# Altium PCB DAPLink.PcbDoc
Units mil, origin at the board's own origin, x right, y up, seen from the top; angles counter-clockwise.
Board outline 787.4 x 1585.51 mil, 2 copper layers (Top Layer, Bottom Layer); 32 components, 27 nets, 152 pads, 50 vias.
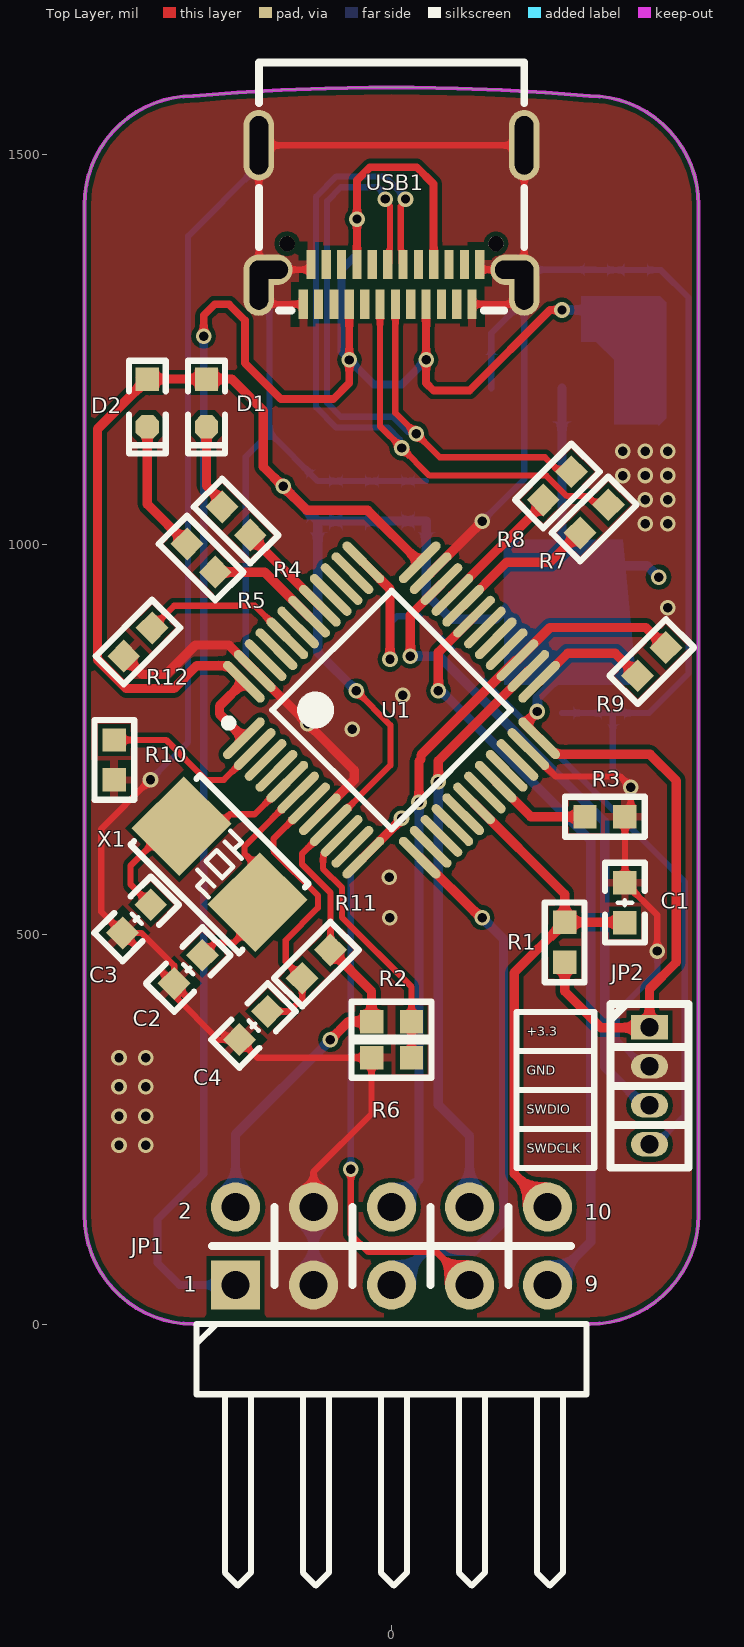
[diagram p0: Top Layer view]
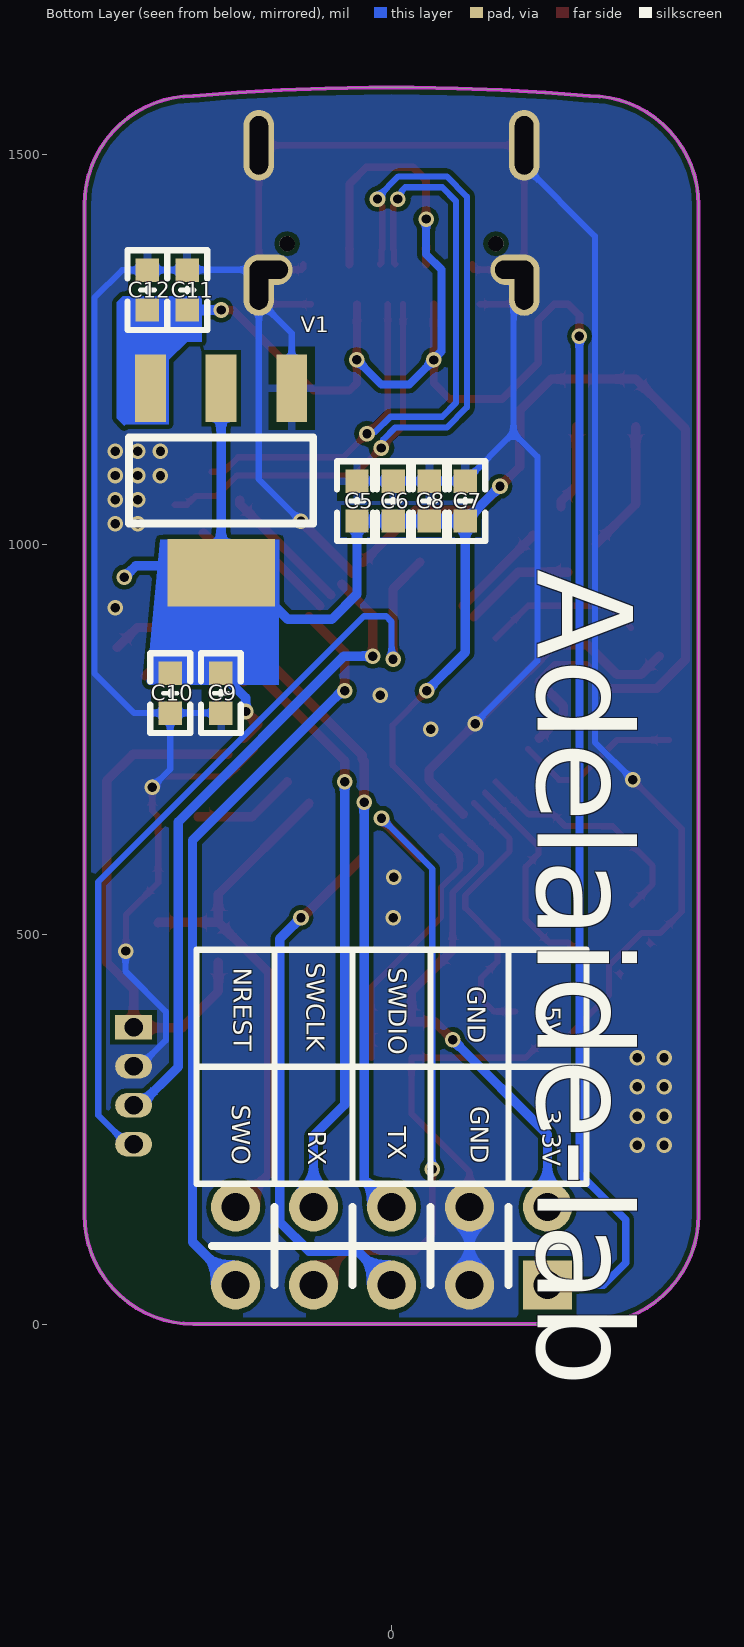
[diagram p1: Bottom Layer view, seen from below]

## Layer stack, top to bottom
Top Solder: solder mask 0.4, Solder Resist, Dk 3.5
Top Layer: signal copper 1.4
Dielectric 1: dielectric 12.6, FR-4, Dk 4.8
Bottom Layer: signal copper 1.4
Bottom Solder: solder mask 0.4, Solder Resist, Dk 3.5

## Board outline
-393.7,140 -393.7,1434.8 cw(c-253.7,1434.8) -253.7,1574.8 cw(c0,-1389.41) 253.7,1574.8 cw(c253.7,1434.8) 393.7,1434.8 393.7,140 cw(c253.7,140) 253.7,0 -253.7,0 cw(c-253.7,140)

## Design rules (kind name [scope] priority, off if disabled: settings)
Clearance [All] p1: gap=6 ignorepadtopadclearanceinfootprint=FALSE
ComponentClearance [All] p1: gap=0 collisioncheckmode=3 verticalgap=0 showdistances=FALSE
DiffPairsRouting [All] p1: maxlimit=15 minlimit=6 mostfreqgap=6 toplayer_minwidth=6 toplayer_maxwidth=15 toplayer_prefwidth=8 bottomlayer_minwidth=6 bottomlayer_maxwidth=15 bottomlayer_prefwidth=8 maxuncoupledlength=500
HoleSize [All] p1: absolutevalues=TRUE maxlimit=1000 minlimit=1 maxpercent=80.000 minpercent=20.000
MinimumSolderMaskSliver [All] p1: minsoldermaskwidth=6
PlaneClearance [All] p1: clearance=6
PolygonConnect [All] p1: thpad.connectstyle=Direct thpad.reliefconductorwidth=10 thpad.reliefentries=4 thpad.polygonreliefangle="90 Angle" thpad.airgapwidth=10 smdpad.connectstyle=Relief smdpad.reliefconductorwidth=10 smdpad.reliefentries=4 smdpad.polygonreliefangle="90 Angle" smdpad.airgapwidth=10 via.connectstyle=Direct via.reliefconductorwidth=10 via.reliefentries=4 via.polygonreliefangle="90 Angle" via.airgapwidth=10
RoutingVias [All] p1: holewidth=12 width=20 viastyle="Through Hole" minholewidth=12 minwidth=20 maxholewidth=12 maxwidth=20
SilkToSilkClearance [All] p1: silktosilkclearance=0
SilkToSolderMaskClearance [IsPad] p1: minsilkscreentomaskgap=0 clearancetoexposedcopper=TRUE
SolderMaskExpansion [All] p1: expansion=4 istentingtop=FALSE
Width Width_POWER [InNetClass('POWER')] p1: maxlimit=50 minlimit=8 preferedwidth=12
Width [All] p2: maxlimit=50 minlimit=6 preferedwidth=8
23 further rules are at their usual default settings.

## Classes and differential pairs
net class POWER: +3.3 +5
differential pair NewDifferentialPair1: +USB_DP -USB_DM

## Components (designator, comment, footprint, x,y, rotation, side; value= is the part's Value field where it differs from the comment)
C1 "0.1uF" C0603_L 299.21,540.36 r90 top
C2 "22pF" C0603_L -260.61,454.86 r45 top
C3 "22pF" C0603_L -326.77,519.68 r45 top
C4 "0.1uF" C0603_L -176.89,382.87 r45 top
C5 "0.1uF" C0603_L 44.29,1055.25 r270 bottom
C6 "0.1uF" C0603_L -1.97,1055.25 r270 bottom
C7 "0.1uF" C0603_L -94.49,1055.25 r270 bottom
C8 "0.1uF" C0603_L -48.23,1055.25 r270 bottom
C9 "10uF" C0603_L 218.75,809.06 r90 bottom
C10 "0.1uF" C0603_L 283.71,809.06 r90 bottom
C11 "10uF" C0603_L 261.81,1325.79 r270 bottom
C12 "0.1uF" C0603_L 312.99,1325.79 r270 bottom
D1 "LED" LED0603_B -237.2,1181.1 r270 top
D2 "LED" LED0603_G -312.99,1181.1 r270 top
JP1 "Header 5X2" HDR2.54-WI-2x5P 0,100.2 r0 top locked
JP2 "HDR-1X4" HDR1.27-LI-4P 330.71,305.51 r270 top locked
R1 "10K" R0603_L 221.95,489.59 r90 top
R2 "10K" R0603_L 0,387.92 r0 top
R3 "10K" R0603_L 273.6,650.59 r180 top
R4 "1.5K" R0603_L -199.21,1029.62 r135 top
R5 "1.5K" R0603_L -244.09,982.28 r135 top
R6 "10K" R0603_L 0,341.65 r180 top
R7 "22R" R0603_L 259.84,1032.48 r45 top
R8 "22R" R0603_L 212.6,1074.8 r225 top
R9 "100" R0603_L 333.66,849.41 r225 top
R10 "10K" R0603_L -355.32,723.37 r270 top
R11 "10K" R0603_L -96.46,461.61 r45 top
R12 "10K" R0603_L -325.18,874.62 r225 top
U1 "STM32F101C8T6" LQFP48_N 0,787.4 r45 top locked
USB1 "TYPE-C 24P QT" USB-C-SMD_TYPE-C-24P-QT 0,1409.45 r180 top locked
V1 "AMS1117-3V3" SOT-223 218.5,1081.69 r90 bottom locked
X1 "8MHz" "OSC 5032-2P" -220.52,589.79 r315 top

## Footprints (in the part's own frame and the unit in brackets; to place one, negate y for a bottom-side part, rotate by r counter-clockwise, add the part's x,y. Pads: shape width x height; smd on the part's side, far side on the other; paste and mask are expansions set on the pad)
C0603_L [mil] "无极性贴片电容"
  rect 30x30 smd: 1(-25.59,0) 2(25.59,0)
  silkscreen extent -51,-26 51,26, body extent -31,-16 32,16, height 33
HDR1.27-LI-4P [mm] "直插，脚距：1.27mm  封装库来自淘宝卖家 ID：黄晶宝石"
  rect 0.8x1.2 hole 0.6: 1(-1.905,0)
  oval 0.8x1.2 hole 0.6: 2(-0.635,0) 3(0.635,0) 4(1.905,0)
  silkscreen extent -2.67,-1.27 2.67,1.27, body extent -2.54,-1.2 2.54,1.2, height 4.48
HDR2.54-WI-2x5P [mm] "双排弯脚排针，5x2脚"
  rect 1.6x1.6 hole 0.9: 1(-5.08,-1.27)
  round 1.6 hole 0.9: 2(-5.08,1.27) 3(-2.54,-1.27) 4(-2.54,1.27) 5(0,-1.27) 6(0,1.27) 7(2.54,-1.27) 8(2.54,1.27) 9(5.08,-1.27) 10(5.08,1.27)
  silkscreen extent -6.35,-11.06 6.35,1.27, body extent -6.35,-11.23 6.35,1.62, height 5.1
LED0603_B [mil] "蓝色0603LED"
  rect 30x30 smd: 1(-30.59,0)
  oct 30x30 smd: 2(30.59,0)
  silkscreen extent -54,-24 65,24, body extent -32,-16 31,16, height 24
LED0603_G [mil] "绿色0603LED"
  rect 30x30 smd: 1(-30.59,0)
  oct 30x30 smd: 2(30.59,0)
  silkscreen extent -54,-24 65,24, body extent -32,-16 31,16, height 24
LQFP48_N [mm] "Thin QFP, 48-Leads, Body 7x7mm, Pitch 0.5mm, IPC Medium Density封装库来自淘宝 ID：黄晶宝石"
  oval 1.8x0.3 smd: 1(-4.05,2.75) 2(-4.05,2.25) 3(-4.05,1.75) 4(-4.05,1.25) 5(-4.05,0.75) 6(-4.05,0.25) 7(-4.05,-0.25) 8(-4.05,-0.75) 9(-4.05,-1.25) 10(-4.05,-1.75) 11(-4.05,-2.25) 12(-4.05,-2.75) 25(4.05,-2.75) 26(4.05,-2.25) 27(4.05,-1.75) 28(4.05,-1.25) 29(4.05,-0.75) 30(4.05,-0.25) 31(4.05,0.25) 32(4.05,0.75) 33(4.05,1.25) 34(4.05,1.75) 35(4.05,2.25) 36(4.05,2.75)
  oval 0.3x1.8 smd: 13(-2.75,-4.05) 14(-2.25,-4.05) 15(-1.75,-4.05) 16(-1.25,-4.05) 17(-0.75,-4.05) 18(-0.25,-4.05) 19(0.25,-4.05) 20(0.75,-4.05) 21(1.25,-4.05) 22(1.75,-4.05) 23(2.25,-4.05) 24(2.75,-4.05) 37(2.75,4.05) 38(2.25,4.05) 39(1.75,4.05) 40(1.25,4.05) 41(0.75,4.05) 42(0.25,4.05) 43(-0.25,4.05) 44(-0.75,4.05) 45(-1.25,4.05) 46(-1.75,4.05) 47(-2.25,4.05) 48(-2.75,4.05)
  silkscreen extent -4.17,-2.75 2.75,3.57, body extent -4.5,-4.5 4.5,4.5, height 1.45
"OSC 5032-2P" [mm] "5mm*3.2mm*0.8mm(长*宽*高)"
  rect 2.2x2.4 smd: 1(-1.75,0) 2(1.75,0)
  silkscreen extent -2.5,-1.6 2.5,1.6, body extent -2.5,-1.6 2.5,1.6, height 0.86
R0603_L [mil] "1/10W贴片电阻"
  rect 30x30 smd: 1(-25.59,0) 2(25.59,0)
  silkscreen extent -51,-26 51,26, body extent -31,-16 32,16, height 16
SOT-223 [mm]
  rect 2.2x1 smd: 1(3,-2.3) 2(3,0) 3(3,2.3)
  rect 2.2x3.5 smd: 2(-3,0)
  silkscreen extent -1.4,-3 1.4,3, body extent -3.49,-3.24 3.49,3.24, height 1.64
USB-C-SMD_TYPE-C-24P-QT [mm]
  oval 1x2 hole 0.6 slot 1.6 at 90 deg: 1(-4.32,1.963) 2(4.32,1.963)
  oval 1.5x1 hole 0.6 slot 1.2 at 0 deg: 1(-3.97,1.463) 2(3.97,1.463)
  oval 1x2.3 hole 0.6 slot 1.9 at 90 deg: 3(4.32,-2.587) 4(-4.32,-2.587)
  rect 0.3x0.95 smd: A1(-2.625,2.588) A2(-2.125,2.588) A3(-1.625,2.588) A4(-1.125,2.588) A5(-0.625,2.588) A6(-0.125,2.588) A7(0.375,2.588) A8(0.875,2.588) A9(1.375,2.588) A10(1.875,2.588) A11(2.375,2.588) A12(2.875,2.588) B1(2.625,1.288) B2(2.125,1.288) B3(1.625,1.288) B4(1.125,1.288) B5(0.625,1.288) B6(0.125,1.288) B7(-0.375,1.288) B8(-0.875,1.288) B9(-1.375,1.288) B10(-1.875,1.288) B11(-2.375,1.288) B12(-2.875,1.288)
  round 0.5 hole 0.5 unplated: ""(-3.4,0.613) ""(3.4,0.613)
  silkscreen extent -4.32,-5.29 4.32,2.79, body extent -4.47,-5.31 4.47,2.79, height 3.24

## Part data
C1 C2 C3 C4 C5 C6 C7 C8 C9 C10 C11 C12: library part C, "贴片电容", BOM名称=无极性贴片电容, 封装库来自淘宝卖家ID：黄晶宝石=其他店铺购入均为盗版假冒封装库，请立即申请退款, 联系卖家，免费查找封装=唯一出售店铺网址https://shop463601444.taobao.com
D1 D2: "发光二极管", 封装库来自淘宝卖家 ID：黄晶宝石=其他店铺购入均为假冒，请立即申请退款，本店奖励现金5~20元
JP1: "5*2P接插件", BOM名称=5*2P接插件, 封装库来自淘宝卖家 ID：黄晶宝石=其他店铺购入均为盗版假冒封装库, 联系卖家，免费查找封装=唯一出售店铺网址https://shop463601444.taobao.com
JP2: library part "Header 4", "4P接插件", BOM名称=4P接插件, 封装库来自淘宝卖家 ID：黄晶宝石=https://shop463601444.taobao.com
R1 R2 R3 R4 R5 R6 R7 R8 R9 R10 R11 R12: library part R, "贴片电阻", BOM名称=贴片电阻, 封装库来自淘宝卖家ID：黄晶宝石=其他店铺购入均为盗版假冒封装库，请立即申请退款, 联系卖家，免费查找封装=唯一出售店铺网址https://shop463601444.taobao.com
U1: "STM32 ARM-based 32-bit MCU Access Line with 64 kB Flash, 10 kB Internal RAM, -40 to +85癈 Temperature, 48-pin LQFP, Tray", ComponentLink1Description="Manufacturer URL", ComponentLink1URL=http://www.st.com/, ComponentLink2Description="STM32F101 Datasheet", ComponentLink2URL=http://www.st.com/internet/com/TECHNICAL_RESOURCES/TECHNICAL_LITERATURE/DATASHEET/CD00161561.pdf, ComponentLink3Description="STM32 Family Web Page", ComponentLink3URL=www.st.com/stm32, DatasheetVersion="rev14.0, Apr-2011", PackageDescription="48-Pin Low-Profile Quad Flat Pack, 7 x 7 mm Body, 0.5 mm Pitch (LQFP48)", PackageReference=LQFP48, PackageVersion="rev13, Apr-2011", 联系卖家，免费查找封装=唯一出售店铺网址https://shop463601444.taobao.com
USB1: "Type-C 接口", BOM_JLCPCB Part Class="Extended Part", BOM_Manufacturer="SHOU HAN(首韩)", BOM_Manufacturer Part="TYPE-C 24P QT", BOM_Supplier=LCSC, BOM_Supplier Part=C2681555, Contributor=LCSC, spicePre=U, spiceSymbolName="TYPE-C 24P QT"
V1: library part AMS1117_SOT89, "三端稳压芯片", BOM名称=稳压芯片, 封装库来自淘宝卖家 ID：黄晶宝石=其他店铺购入均为盗版，请立即申请退款，本店现金奖励5~20元, 联系卖家 免费查找封装=唯一出售店铺网址https://shop463601444.taobao.com
X1: library part XTAL-2P, "2脚无源脚晶振", BOM名称=2脚无源脚晶振, 联系卖家，免费查找封装=唯一出售店铺网址https://shop463601444.taobao.com

## Via types
v1: diameter 20, hole 12, Top Layer to Bottom Layer, 50 vias

## Nets (pads, with @x,y where several pads share a name; then routed paths per layer and width w, separated by ;. In a path a pad name is that pad's centre, name@x,y a point inside that pad or via, vN(x,y) a via of type N, cw(c..) or ccw(c..) an arc to the next point about the centre after c; other vN are vias at no path point)
+3.3: C5.2 C6.2 C7.2 C8.2 C9.2 C10.2 D1.1 D2.1 JP1.2 JP2.1 R1.1 R2.1 R11.2 U1.1 U1.9 U1.24 U1.36 U1.48 V1.2 | length 3941.4
  Top Layer w8: R11.2 -78.36,553.39 -114.77,589.79 -114.77,603.04 U1.9 -1.39,716.41 -1.39,768.13 v1(-45.28,812.01)
  Top Layer w12: U1.48@-189.37,823.53 -220.52,792.37 -220.52,782.43 U1.1 ; U1.48 -210.05,844.34 -249.65,844.34 -279.03,814.96 -339.9,814.96 -376.97,852.03 -376.97,1147.71 D2.1 D1.1 -204.8,1211.69 -164.37,1171.26 -164.37,1099.41 v1(-139.01,1074.05) -108.51,1043.55 -30.65,1043.55 U1.36 ; v1(-78.36,364.77) -55.23,387.91 R2.1 -25.59,426.94 R11.2 ; v1(187.02,785.47) 171.11,769.54 171.11,769.4 U1.24 ; U1.24@210.05,730.47 331.54,730.47 365.16,696.85 365.16,463.99 330.71,429.54 JP2.1 ; R1.1 221.95,426.67 268.52,380.1 JP2.1@330.3,380.1
  Bottom Layer w12: JP1.2 -200,243.14 v1(-78.36,364.77) ; v1(-139.01,1074.05) -138.88,1074.05 C7.2 ; v1(-45.28,812.01) -94.48,861.22 C7.2 ; v1(187.02,785.47) 187.02,802.91 C9.2 ; V1.2@218.5,1199.8 V1.2@218.5,963.58 ; v1(342.52,957.68) 327.76,972.44 227.36,972.44 V1.2@218.5,963.58 ; C7.2 C8.2 C6.2 C5.2 44.29,936.02 76.77,903.54 132.87,903.54 192.91,963.58 V1.2@218.5,963.58
+5: C11.2 C12.2 JP1.1 USB1.A4 USB1.A9 USB1.B4 USB1.B9 V1.3 | length 2901.9
  Top Layer w10: v1(-240.83,1266.73) -240.83,1293.42 -226.66,1307.58 -208.55,1307.58 -187.99,1287.02 -187.99,1232.28 -141.73,1186.02 -74.8,1186.02 -54.13,1206.69 v1(-54.13,1236.22) USB1.A9 ; USB1.B4 -44.29,1416.83 -44.29,1466.54 -27.56,1483.27 32.37,1483.27 53.89,1461.74 53.89,1359.01 USB1.B9 ; USB1.A4 44.38,1307.5 44.38,1236.31 v1(44.46,1236.22) 44.29,1236.05 44.29,1206.69 54.14,1196.85 99.8,1196.85 203.15,1300.2 v1(218.5,1300.2)
  Bottom Layer w10: v1(-240.83,1266.73) -240.83,193.23 -272.06,161.99 -300.2,133.86 -300.2,78.74 -271.65,50.2 JP1.1 JP1.1@-203.69,53.89 ; v1(-44.29,1416.83) -44.29,1371.76 -63.98,1352.08 -63.98,1247.08 -54.13,1237.24 v1(-54.13,1236.22) -22.72,1204.8 13.04,1204.8 v1(44.46,1236.22)
  Bottom Layer w12: v1(218.5,1300.2) C11.2 C12.2 312.99,1203.74 V1.3
BOOT0: R12.1 U1.44 | length 202.5
  Top Layer w8: R12.1 -278.78,921.03 -175.38,921.03 U1.44
BOOT1: R3.2 U1.20 | length 133
  Top Layer w12: U1.20 133.76,695.53 178.7,650.59 R3.2@248.03,650.59
GND: C1.2 C2.1 C3.1 C4.1 C5.1 C6.1 C7.1 C8.1 C9.1 C10.1 C11.1 C12.1 JP1.3 JP1.4 JP2.2 R3.1 R6.2 R10.2 R12.2 U1.8 U1.23 U1.35 U1.47 USB1.1 USB1.2 USB1.3 USB1.4 USB1.A1 USB1.A12 USB1.B1 USB1.B12 V1.1 | length 6243.8
  Top Layer w8: v1(-309.06,697.78) -372.05,634.8 -372.05,528.77 C3.1 -320.61,501.59 -278.7,459.68 C2.1 -278.7,421.45 -222.03,364.77 C4.1 -171.86,341.65 R6.2 -25.59,269.69 -100,195.28 JP1.4 ; USB1.2@-156.3,1351.87 -105.25,1351.87 -103.34,1353.78 USB1.B1 ; USB1.A12 -155.58,1307.58 -170.08,1322.07 -170.08,1332.19 USB1.3 USB1.4 170.08,1332.19 170.08,1322.07 155.59,1307.58 USB1.A1 ; USB1.B12 113.19,1353.78 115.1,1351.87 USB1.1@156.3,1351.87 ; U1.23 210.56,702.11 293.24,702.11 v1(306.78,688.57) 306.78,658.16 R3.1 C1.2 340.55,524.61 v1(340.55,478.35)
  Top Layer w12: R12.2 -319.71,832.96 -289.09,832.96 -251.38,870.67 -208.67,870.67 -175.52,837.51 U1.47 -175.25,837.51 v1(-107.42,769.68) -48,710.26 -48,697.64 U1.8 ; U1.35 50.11,962.92 116.14,1028.95 v1(116.14,1029.53)
  Bottom Layer w8: v1(-309.06,697.78) -260.83,746.02 -260.83,1394.98 -170.08,1485.73 USB1.3 ; USB1.2@-156.3,1351.87 -156.3,1142.65 ; v1(-107.42,769.68) -107.42,770.81 -187.01,850.39 -187.01,1111.94 -156.3,1142.65 ; C5.1 C6.1 C8.1 C7.1 -156.3,1142.65 ; v1(116.14,1029.53) 170.08,1083.47 USB1.1@170.08,1312.5 ; V1.1 127.95,1270.37 USB1.1@170.08,1312.5 ; USB1.1@156.3,1351.87 261.32,1351.87 C11.1 C12.1 345.47,1351.38 380.91,1315.94 380.91,834.64 329.72,783.46 C10.1 ; USB1.1@170.08,1332.19 USB1.1@170.08,1312.5 ; C9.1 C10.1 ; v1(306.78,688.57) 283.71,711.64 C10.1 ; JP2.2 322.83,330.51 289.21,364.13 289.21,400.43 341.04,452.26 341.04,477.85 v1(340.55,478.35)
  Bottom Layer w12: JP1.3 JP1.4
  other v1: -349.41,229.33 -314.96,229.33 -349.41,266.77 -314.96,266.77 -349.41,304.21 -314.96,304.21 -349.41,341.65 -314.96,341.65 -2.14,521.26 -2.8,573.14 -50.47,762.82 14.58,806.43 354.33,918.71 325.3,1026 354.33,1026 325.3,1057.03 354.33,1057.03 296.26,1087.93 325.3,1088.06 354.33,1088.06 296.26,1119.09 325.3,1119.09 354.33,1119.09
IF_NREST: C4.2 R11.1 U1.7 | length 369.7
  Top Layer w8: C4.2 -130.93,400.96 -114.55,417.34 R11.1 -135.77,464.73 -135.77,492.32 -94.4,533.69 -94.4,549.62 -151.3,606.53 -151.3,622.18 U1.7
IF_SWDCLK: JP2.4 U1.37 | length 1067.1
  Top Layer w12: U1.37 -1.97,942.48 v1(-1.97,852.4)
  Bottom Layer w8: v1(-1.97,852.4) 0,854.37 0,900.45 7.03,907.48 35.43,907.48 375.98,566.93 375.98,267.91 338.58,230.51 JP2.4
IF_SWDIO: JP2.3 U1.34 | length 838.1
  Top Layer w12: v1(24.1,856.53) 24.1,908.94 U1.34
  Bottom Layer w12: v1(24.1,856.53) 60.92,856.53 273.21,644.25 273.21,330.13 322.83,280.51 JP2.3
NetC2_2: C2.2 U1.6 X1.2 | length 287.5
  Top Layer w8: C2.2 -226.21,489.25 -201.97,489.25 -171.81,519.41 X1.2 -171.81,586.61 -188.41,603.21 -188.41,612.91 U1.6
NetC3_2: C3.2 U1.5 X1.1 | length 306.3
  Top Layer w8: C3.2 -334.65,563.75 -334.65,587.6 -283.73,638.51 X1.1 -269.04,638.71 -222.41,638.71 -207.35,653.78 -175.52,653.78 -133.76,695.53 U1.5
NetD1_2: D1.2 R4.2 | length 111
  Top Layer w12: D1.2 -237.2,1074.8 -217.3,1054.9 R4.2
NetD2_2: D2.2 R5.2 | length 171.2
  Top Layer w12: D2.2 -312.99,1051.18 R5.2
NetR2_2: R2.2 R6.1 U1.10 | length 341.2
  Top Layer w8: U1.10 -64.03,625.45 -87.89,601.58 -87.89,584.14 -63.36,559.6 -63.36,521.26 25.59,432.31 R2.2 R6.1
NetR4_1: R4.1 U1.41 | length 127.5
  Top Layer w12: R4.1 -181.11,1010.41 -91.87,921.16 U1.41
NetR5_1: R5.1 U1.42 | length 143.9
  Top Layer w12: R5.1 -162.87,964.19 U1.42
NetR7_1: R7.1 U1.32 | length 188.5
  Top Layer w12: U1.32 147.55,976.71 203.22,976.71 240.9,1014.38 R7.1
NetR8_2: R8.2 U1.33 | length 170
  Top Layer w12: U1.33 77.95,935.08 194.5,1051.64 R8.2
NetR9_2: R9.2 U1.25 | length 153.4
  Top Layer w12: U1.25 225.95,860.24 286.65,860.24 R9.2
NetR10_1: R10.1 U1.2 | length 217.5
  Top Layer w8: R10.1 -289.09,748.97 -237.91,697.78 -214.89,697.78 U1.2
TGT_NREST: C1.1 JP1.10 R1.2 U1.18 | length 687.6
  Top Layer w12: U1.18 222.16,551.32 222.16,515.38 R1.2 ; JP1.10 157.48,192.72 157.48,450.7 R1.2 ; C1.1 298.7,515.28 222.06,515.28 R1.2
TGT_RX: JP1.7 U1.12 | length 810.3
  Top Layer w8: v1(-52.17,198.51) -52.17,115.16 -29.53,92.52 57.68,92.52 JP1.7
  Top Layer w12: U1.12 -36.19,598.23 12.8,647.22 v1(12.8,648.62)
  Bottom Layer w8: v1(-52.17,198.51) -52.17,583.66 v1(12.8,648.62)
TGT_SWCLK: JP1.8 U1.26 | length 751.6
  Top Layer w12: v1(60.03,695.53) 60.03,722.16 U1.26
  Bottom Layer w12: v1(60.03,695.53) 60.03,281.5 100,241.54 JP1.8
TGT_SWDIO: JP1.6 R9.1 U1.27 | length 987.4
  Top Layer w12: v1(35.16,668.93) 35.16,721.84 37.75,724.43 37.75,729.6 159.58,851.43 U1.27 203.22,893.19 326.08,893.19 R9.1
  Bottom Layer w12: JP1.6 35.16,185.36 v1(35.16,668.93)
TGT_SWO: JP1.9 U1.31 | length 981.7
  Top Layer w12: v1(60.03,812.01) 60.03,861.22 105.79,906.97 U1.31
  Bottom Layer w12: v1(60.03,812.01) 63.58,812.01 255.21,620.37 255.21,105.41 JP1.9
TGT_TX: JP1.5 U1.13 | length 690.1
  Top Layer w8: U1.13 U1.13@37.22,598.1
  Top Layer w12: U1.13@37.22,598.1 114.06,521.26 v1(116.09,521.26)
  Bottom Layer w12: JP1.5 43.5,93.69 105.77,93.69 143.5,131.42 143.5,493.85 v1(116.09,521.26)
USB_DM: R7.2 USB1.A7 USB1.B7 | length 1099.9
  Top Layer w8: USB1.A7 -14.76,1151.22 v1(13.11,1123.35) 48.53,1087.93 198.65,1087.93 224.88,1061.69 251.26,1061.69 262.38,1050.57 R7.2 ; 11.93,1433.23 11.93,1378.15 12.86,1377.21 12.86,1360.67 USB1.B7
  Bottom Layer w8: 10.82,1134.13 -4.48,1149.43 -70.8,1149.43 -96.68,1175.3 -96.68,1445.54 -70.7,1471.51 -8.82,1471.51 17.93,1444.77 v1(17.93,1442.48)
USB_DP: R8.1 USB1.A6 USB1.B6 | length 940.8
  Top Layer w8: USB1.B6 -3.01,1360.67 -3.01,1377.21 -2.07,1378.15 -2.07,1433.23 ; USB1.A6 4.92,1168.3 v1(31.5,1141.73) 61.88,1111.35 196.69,1111.35 215.14,1092.9 R8.1
  Bottom Layer w8: v1(-8.07,1442.48) -8.07,1445.73 -12.84,1450.5 -12.84,1452.83 -17.53,1457.51 -64.9,1457.51 -82.68,1439.74 -82.68,1181.1 -65,1163.43 1.32,1163.43 20.71,1144.03
pads on no net: U1.3 U1.4 U1.11 U1.14 U1.15 U1.16 U1.17 U1.19 U1.21 U1.22 U1.28 U1.29 U1.30 U1.38 U1.39 U1.40 U1.43 U1.45 U1.46 USB1. USB1.A2 USB1.A3 USB1.A5 USB1.A8 USB1.A10 USB1.A11 USB1.B2 USB1.B3 USB1.B5 USB1.B8 USB1.B10 USB1.B11

## Polygon pours and split planes (outlines as drawn)
GND on Bottom Layer "GND_L02_P001" (solid, remove dead copper, pour order 1): -396.22,139.97 cw(c-253.7,140) -396.22,140 cw(c-393.7,140) -396.22,140 -396.22,1434.8 cw(c-253.7,1434.8) -257.58,1577.27 cw(c-256.42,1575.03) -256.62,1577.54 cw(c-2.71,-1455.8) 251.19,1577.54 cw(c250.98,1575.03) 252.52,1577.02 cw(c253.7,1574.8) 253.7,1577.32 cw(c253.7,1434.8) 396.22,1434.84 cw(c393.7,1434.8) 396.22,1434.8 396.22,140 cw(c393.7,140) 396.22,139.97 ccw(c253.7,140) 396.22,140 ccw(c393.7,140) 396.22,140 396.22,139.97 cw(c253.7,140) 253.7,-2.52 cw(c253.7,0) 253.68,-2.52 -253.7,-2.52 cw(c-253.7,140)
GND on Top Layer "GND_L01_P000" (solid, remove dead copper, pour order 0): -396.22,139.97 cw(c-253.7,140) -396.22,140 cw(c-393.7,140) -396.22,140 -396.22,1434.8 cw(c-253.7,1434.8) -257.58,1577.27 cw(c-256.42,1575.03) -256.62,1577.54 cw(c-2.71,-1455.8) 251.19,1577.54 cw(c250.98,1575.03) 252.52,1577.02 cw(c253.7,1574.8) 253.7,1577.32 cw(c253.7,1434.8) 396.22,1434.84 cw(c393.7,1434.8) 396.22,1434.8 396.22,140 cw(c393.7,140) 396.22,139.97 ccw(c253.7,140) 396.22,140 ccw(c393.7,140) 396.22,140 396.22,139.97 cw(c253.7,140) 253.7,-2.52 cw(c253.7,0) 253.68,-2.52 -253.7,-2.52 cw(c-253.7,140)

## Keep-outs
Keep-Out Layer:
  lines w5: -253.7,0 cw(c-253.7,140) -393.7,140 -393.7,1434.8 cw(c-253.7,1434.8) -253.7,1574.8 cw(c0,-1389.41) 253.7,1574.8 cw(c253.7,1434.8) 393.7,1434.8 393.7,140 cw(c253.7,140) 253.7,0 -253.7,0 ; -253.7,0 -253.7,0

## Other copper
Bottom Layer:
  region net +3.3: 143.72,1005.91 296.26,1005.91 313.8,822.66 311.02,819.88 144.69,819.88
  region net +5: 243.11,1317.91 243.11,1259.84 261.81,1259.84 285.43,1236.22 285.43,1153.54 340.55,1153.54 342.52,1151.57 352.36,1161.42 352.36,1310.04 344.49,1317.91

## Silkscreen, mask and mechanical layers (free items; w line width, h text height)
Top Overlay:
  lines w7.87: 260,250 160,250 ; 260,300 160,300 ; 260,350 160,350 ; 160,250 160,300 ; 160,250 160,200 260,200 260,400 160,400 160,350 ; 160,300 160,350
  text "+3.3" at 173.23,365.66 h20
  text "GND" at 173.23,315.64 h20
  text "SWDIO" at 173.25,265.81 h20
  text "SWDCLK" at 173.25,215.81 h20
Bottom Overlay:
  lines w7.87: -150,480 -150,180 ; -50,480 -50,180 ; 50,480 50,180 ; 150,480 150,180 ; -250,330 250,330 ; -250,330 -250,480 250,480 250,330 ; -250,330 -250,180 -150,180 ; -150,180 -50,180 ; -50,180 50,180 ; 50,180 150,180 ; 150,180 250,180 250,330
  text "Adelaide-lab" at -147.03,967.71 h210 r90
  text "SWCLK" at 116.61,463.55 h40 r90
  text "SWDIO" at 11.29,456.66 h40 r90
  text "NREST" at 210.11,456.69 h40 r90
  text "GND" at -89.75,433.07 h40 r90
  text "5V" at -186.5,407.48 h40 r90
  text "SWO" at 212.08,281.46 h40 r90
  text "GND" at -93.69,279.53 h40 r90
  text "3.3V" at -186.25,275.55 h40 r90
  text "TX" at 11.81,252.92 h40 r90
  text "RX" at 114.17,248.03 h40 r90
Mechanical 1:
  lines w5: -256.42,1575.03 cw(c-2.71,-1455.8) 250.98,1575.03 ; -253.7,1574.8 ccw(c-253.7,1434.8) -393.7,1434.8 -393.7,140 ccw(c-253.7,140) -253.7,0 253.7,0 ccw(c253.7,140) 393.7,140 393.7,1434.8 ccw(c253.7,1434.8) 253.7,1574.8
Mechanical 15:
  lines w5: 0,-301.06 0,301.06 ; -253.7,0 cw(c-253.7,140) -393.7,140 -393.7,1434.8 cw(c-253.7,1434.8) -253.7,1574.8 cw(c0,-1389.4) 253.7,1574.8 cw(c253.7,1434.8) 393.7,1434.8 393.7,140 cw(c253.7,140) 253.7,0 -253.7,0 ; -253.7,0 -253.7,0

## Dimensions
-253.7,0 to -253.7,1574.8 on Mechanical 15
-393.7,140 to 393.7,140 on Mechanical 15

## Text inside footprints (layer, text, board x,y; h text height)
JP1: Top Overlay "10" at 248.03,133.85 h20; Top Overlay "9" at 248.03,41.33 h20; Top Overlay "1" at -266.73,41.33 h20; Top Overlay "2" at -273.62,134.84 h20